# Altium PCB GridSeed_Rev04.PcbDoc (part 2 of 6)
Units mm, origin at the board's own origin, x right, y up, seen from the top; angles counter-clockwise.
Board outline 91 x 132.3 mm, 4 copper layers (L1, L2, L3, L4), stack 1.577 mm thick; 519 components, 141 nets, 2171 pads, 2470 vias.
Unrouted connection lines stored in the file: 1.
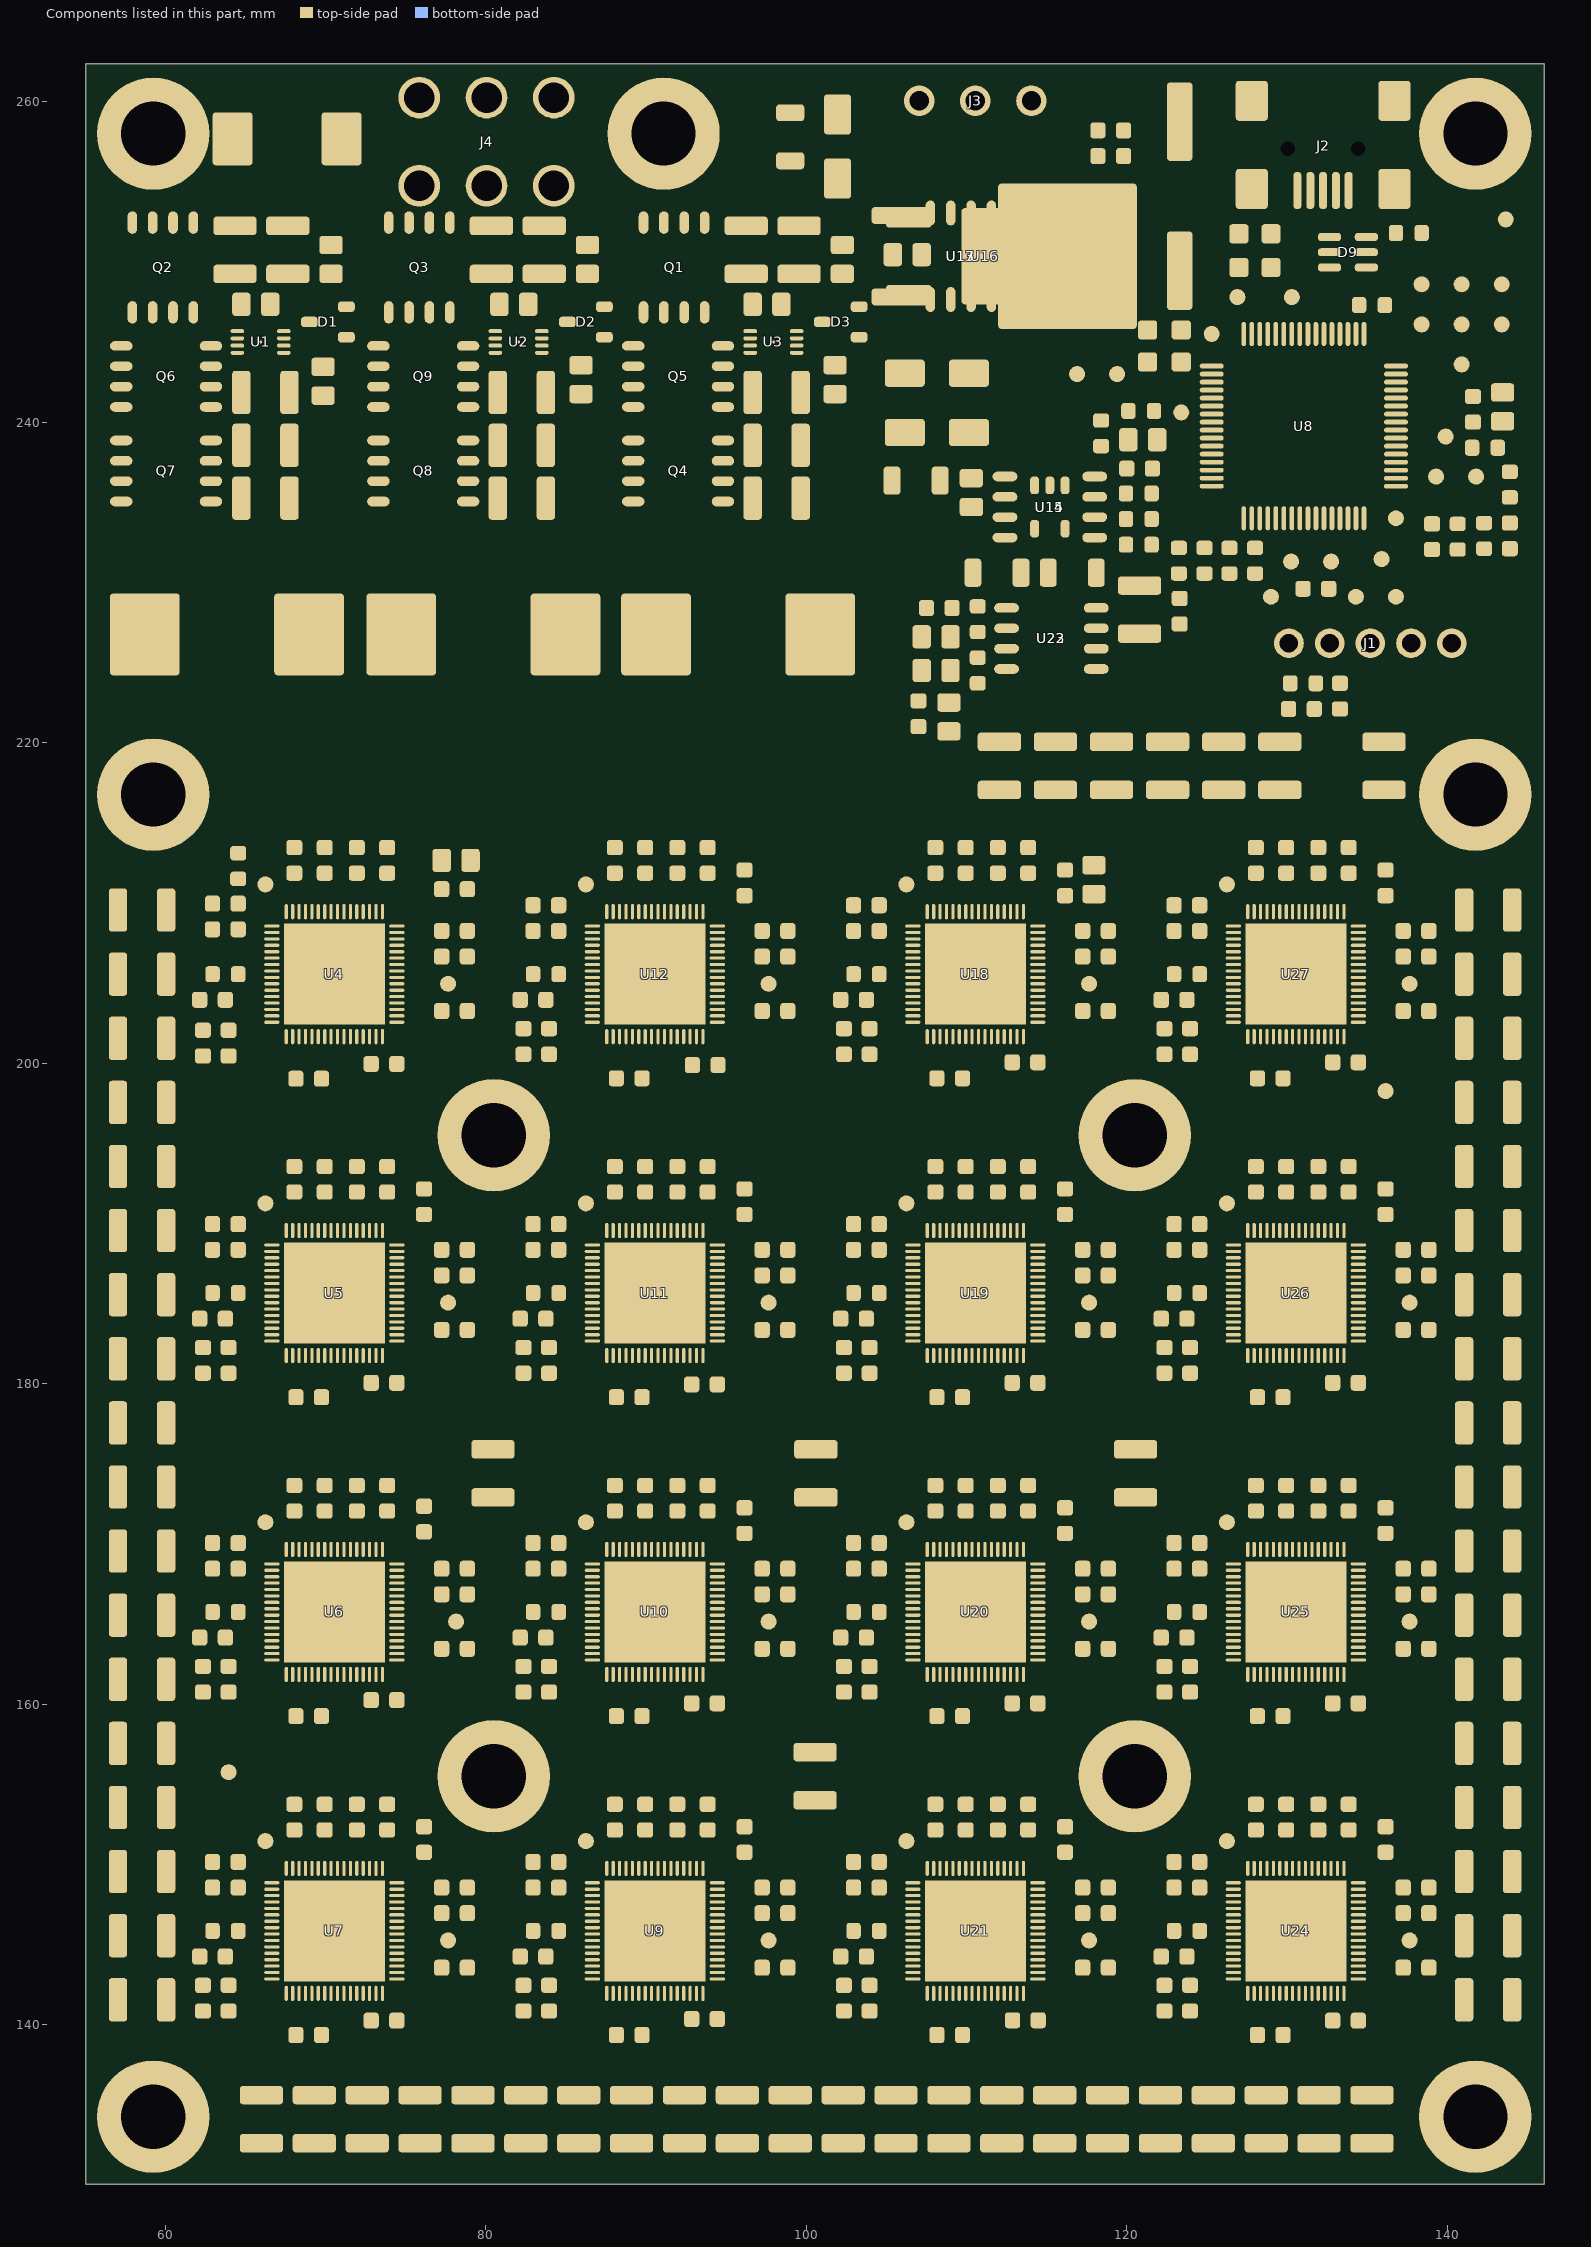
[diagram p4: the components of this part, seen from the top]

## Components (designator, comment, footprint, x,y, rotation, side; value= is the part's Value field where it differs from the comment) (continued)
R33 "R" SMD_0603_RESC1608X55N 137.6,251.8 r180 top
R42 "R" SMD_1206_RESC3216X65N 106.85,236.35 r0 top
R43 "R" SMD_0603_RESC1608X55N 103.75,205.55 r0 top
R44 "R" SMD_0603_RESC1608X55N 103.75,185.65 r0 top
R45 "R" SMD_0603_RESC1608X55N 103.75,165.75 r0 top
R46 "R" SMD_0603_RESC1608X55N 103.75,145.85 r0 top
R47 "R" SMD_1206_RESC3216X65N 99,257.8 r90 top
R48 "R" SMD_1206_RESC3216X65N 116.6,230.6 r0 top
R49 "R" SMD_1206_RESC3216X65N 111.9,230.6 r180 top
R50 "R" SMD_0603_RESC1608X55N 110.7,227.7 r270 top
R51 "R" SMD_0603_RESC1608X55N 110.7,224.5 r270 top
R52 "R" SMD_0603_RESC1608X55N 110.7,227.7 r270 top
R53 "R" SMD_0603_RESC1608X55N 126.407,231.35 r270 top
R54 "R" SMD_0603_RESC1608X55N 128.007,231.35 r90 top
R55 "R" SMD_0603_RESC1608X55N 110.7,224.5 r270 top
R64 "R" SMD_0603_RESC1608X55N 123.75,145.85 r0 top
R65 "R" SMD_0603_RESC1608X55N 123.75,165.75 r0 top
R66 "R" SMD_0603_RESC1608X55N 123.75,185.65 r0 top
R67 "R" SMD_0603_RESC1608X55N 123.75,205.55 r0 top
TP1 "TEST_POINT_1" SMD_TP_100-254 66.25,211.15 r0 top
TP2 "TEST_POINT_1" SMD_TP_100-254 66.25,191.25 r0 top
TP3 "TEST_POINT_1" SMD_TP_100-254 66.25,171.35 r0 top
TP4 "TEST_POINT_1" SMD_TP_100-254 66.25,151.45 r0 top
TP5 "TEST_POINT_1" SMD_TP_100-254 77.65,204.95 r0 top
TP6 "TEST_POINT_1" SMD_TP_100-254 77.65,185.05 r0 top
TP7 "TEST_POINT_1" SMD_TP_100-254 78.15,165.15 r0 top
TP8 "TEST_POINT_1" SMD_TP_100-254 77.65,145.25 r0 top
TP9 "TEST_POINT_1" SMD_TP_100-254 129,229.1 r0 top
TP10 "TEST_POINT_1" SMD_TP_100-254 130.25,231.3 r0 top
TP11 "TEST_POINT_1" SMD_TP_100-254 123.4,240.6 r0 top
TP12 "TEST_POINT_1" SMD_TP_100-254 136.8,229.1 r0 top
TP13 "TEST_POINT_1" SMD_TP_100-254 86.25,151.45 r0 top
TP14 "TEST_POINT_1" SMD_TP_100-254 86.25,171.35 r0 top
TP15 "TEST_POINT_1" SMD_TP_100-254 86.25,191.25 r0 top
TP16 "TEST_POINT_1" SMD_TP_100-254 86.25,211.15 r0 top
TP17 "TEST_POINT_1" SMD_TP_100-254 135.9,231.45 r0 top
TP18 "TEST_POINT_1" SMD_TP_100-254 116.9,243 r0 top
TP19 "TEST_POINT_1" SMD_TP_100-254 119.4,243 r0 top
TP20 "TEST_POINT_1" SMD_TP_100-254 139.3,236.6 r0 top
TP21 "TEST_POINT_1" SMD_TP_100-254 141.8,236.6 r0 top
TP22 "TEST_POINT_1" SMD_TP_100-254 126.9,247.8 r0 top
TP23 "TEST_POINT_1" SMD_TP_100-254 130.3,247.8 r0 top
TP24 "TEST_POINT_1" SMD_TP_100-254 139.9,239.1 r0 top
TP25 "TEST_POINT_1" SMD_TP_100-254 143.4,246.1 r0 top
TP26 "TEST_POINT_1" SMD_TP_100-254 140.9,243.6 r0 top
TP27 "TEST_POINT_1" SMD_TP_100-254 140.9,246.1 r0 top
TP28 "TEST_POINT_1" SMD_TP_100-254 143.4,248.6 r0 top
TP29 "TEST_POINT_1" SMD_TP_100-254 140.9,248.6 r0 top
TP30 "TEST_POINT_1" SMD_TP_100-254 138.4,246.1 r0 top
TP31 "TEST_POINT_1" SMD_TP_100-254 138.4,248.6 r0 top
TP32 "TEST_POINT_1" SMD_TP_100-254 97.65,145.25 r0 top
TP33 "TEST_POINT_1" SMD_TP_100-254 97.65,165.15 r0 top
TP34 "TEST_POINT_1" SMD_TP_100-254 97.65,185.05 r0 top
TP35 "TEST_POINT_1" SMD_TP_100-254 97.65,204.95 r0 top
TP36 "TEST_POINT_1" SMD_TP_100-254 106.25,211.15 r0 top
TP37 "TEST_POINT_1" SMD_TP_100-254 106.25,191.25 r0 top
TP38 "TEST_POINT_1" SMD_TP_100-254 106.25,171.35 r0 top
TP39 "TEST_POINT_1" SMD_TP_100-254 106.25,151.45 r0 top
TP40 "TEST_POINT_1" SMD_TP_100-254 117.65,204.95 r0 top
TP41 "TEST_POINT_1" SMD_TP_100-254 117.65,185.05 r0 top
TP42 "TEST_POINT_1" SMD_TP_100-254 117.65,165.15 r0 top
TP43 "TEST_POINT_1" SMD_TP_100-254 117.65,145.25 r0 top
TP44 "TEST_POINT_1" SMD_TP_100-254 126.25,151.45 r0 top
TP45 "TEST_POINT_1" SMD_TP_100-254 126.25,171.35 r0 top
TP46 "TEST_POINT_1" SMD_TP_100-254 126.25,191.25 r0 top
TP47 "TEST_POINT_1" SMD_TP_100-254 126.25,211.15 r0 top
TP48 "TEST_POINT_1" SMD_TP_100-254 136.15,198.25 r0 top
TP49 "TEST_POINT_1" SMD_TP_100-254 137.65,145.25 r0 top
TP50 "TEST_POINT_1" SMD_TP_100-254 137.65,165.15 r0 top
TP51 "TEST_POINT_1" SMD_TP_100-254 137.65,185.05 r0 top
TP52 "TEST_POINT_1" SMD_TP_100-254 137.65,204.95 r0 top
TP53 "TEST_POINT_1" SMD_TP_100-254 132.75,231.3 r0 top
TP54 "TEST_POINT_1" SMD_TP_100-254 134.3,229.1 r0 top
U1 "IC_LTC4449" SMD_SON45P300X200X80-9N 65.95,245 r0 top
U2 "IC_LTC4449" SMD_SON45P300X200X80-9N 82.05,245 r0 top
U3 "IC_LTC4449" SMD_SON45P300X200X80-9N 97.95,245 r0 top
U4 "GC3355Q64" SMT_QFN40P800X800X90-65N 70.55,205.55 r90 top
U5 "GC3355Q64" SMT_QFN40P800X800X90-65N 70.55,185.65 r90 top
U6 "GC3355Q64" SMT_QFN40P800X800X90-65N 70.55,165.75 r90 top
U7 "GC3355Q64" SMT_QFN40P800X800X90-65N 70.55,145.85 r90 top
U8 "IC_DSPIC33EP256MU806-QFN64" SMD_QFP50P1200X1200X120-64N 131.05,239.75 r90 top
U9 "GC3355Q64" SMT_QFN40P800X800X90-65N 90.55,145.85 r90 top
U10 "GC3355Q64" SMT_QFN40P800X800X90-65N 90.55,165.75 r90 top
U11 "GC3355Q64" SMT_QFN40P800X800X90-65N 90.55,185.65 r90 top
U12 "GC3355Q64" SMT_QFN40P800X800X90-65N 90.55,205.55 r90 top
U13 "(OPT) LM7805" SMD_SOIC127P600X175-8N 109.65,250.35 r90 top
U14 "IC_TLV70033QDDCRQ1" SMD_SOT95P280X135-5N 115.2,234.7 r270 top
U15 "IC_BDXXKA5WF" SMD_SOIC127P620X160-8N 115.2,234.7 r180 top
U16 "IC_IN1OUT3GND4" SMD_TO254P1542X460-3_4N 112.35,250.35 r0 top
U17 "IC_VIN1GND4VOUT3" SMD_TO229P991X239-4N_DPAK 110.55,250.35 r0 top
U18 "GC3355Q64" SMT_QFN40P800X800X90-65N 110.55,205.55 r90 top
U19 "GC3355Q64" SMT_QFN40P800X800X90-65N 110.55,185.65 r90 top
U20 "GC3355Q64" SMT_QFN40P800X800X90-65N 110.55,165.75 r90 top
U21 "GC3355Q64" SMT_QFN40P800X800X90-65N 110.55,145.85 r90 top
U22 "IC_BD00KA5WF" SMD_SOIC127P620X160-8N 115.3,226.5 r0 top
U23 "IC_BD00KA5WF" SMD_SOIC127P620X160-8N 115.3,226.5 r0 top
U24 "GC3355Q64" SMT_QFN40P800X800X90-65N 130.55,145.85 r90 top
U25 "GC3355Q64" SMT_QFN40P800X800X90-65N 130.55,165.75 r90 top
U26 "GC3355Q64" SMT_QFN40P800X800X90-65N 130.55,185.65 r90 top
U27 "GC3355Q64" SMT_QFN40P800X800X90-65N 130.55,205.55 r90 top
Y1 "XTAL" SMD_HC49_XTAL1140X480X420N 123.3,254.1 r90 top

## Footprints (in the part's own frame and the unit in brackets; to place one, negate y for a bottom-side part, rotate by r counter-clockwise, add the part's x,y. Pads: shape width x height; smd on the part's side, far side on the other; paste and mask are expansions set on the pad)
FID100X200 [mm]
  round 1 smd paste-0.5 mask+0.5: 1(0,0)
  L1 keep-out region: 1.05,0 0.969,0.406 0.74,0.749 0.396,0.979 -0.01,1.06 -0.01,1.06 -0.415,0.979 -0.759,0.749 -0.989,0.406 -1.069,0 -1.069,0 -0.989,-0.406 -0.759,-0.749 -0.415,-0.979 -0.01,-1.06 -0.01,-1.06 0.396,-0.979 0.74,-0.749 0.969,-0.406 1.05,0
PTH_CON_HD-351-3P [mm]
  round 1.9 hole 1.2 mask+0.075: 1(-3.5,0) 2(0,0) 3(3.5,0)
  silkscreen extent -5.3,0.95 5.3,3.8, body extent -5.65,-3.7 5.25,3.7, height 8.52
PTH_CON_WR-MRC4-6P [mm]
  round 2.6 hole 1.9 mask+0.075: 1(-4.2,2.75) 2(0,2.75) 3(4.2,2.75) 4(-4.2,-2.75) 5(0,-2.75) 6(4.2,-2.75)
  silkscreen extent -7.1,-2 7.1,2, body extent -6.9,-3.32 6.9,16.65, height 11.35
PTH_HDRV05W64P254_1X05 [mm]
  round 1.85 hole 1.15 mask+0.075: 1(-5.08,0) 2(-2.54,0) 3(0,0) 4(2.54,0) 5(5.08,0)
  silkscreen extent -6.35,-1.25 6.35,1.25, body extent -6.35,-1.25 6.35,1.25, height 8
PTH_MTG400_700 [mm]
  round 7 / inner round 5 / far side round 7 hole 4 mask+0.075: 1(0,0)
  silkscreen extent -3.85,-3.85 3.85,3.85
SMD_0603_CAPC1608X95N [mm]
  rrect42% 0.95x1 smd mask+0.075: 1(-0.8,0) 2(0.8,0)
  body extent -0.8,-0.4 0.8,0.4, height 0.95
SMD_0603_RESC1608X55N [mm]
  rrect44% 0.9x1 smd mask+0.075: 1(-0.8,0) 2(0.8,0)
  body extent -0.8,-0.4 0.8,0.4, height 0.55
SMD_0805_CAPC2012X145N [mm]
  rrect35% 1.15x1.45 smd mask+0.075: 1(-0.9,0) 2(0.9,0)
  body extent -1,-0.6 1,0.6, height 1.45
SMD_0805_INDC2012X105N [mm]
  rrect35% 1.15x1.45 smd mask+0.075: 1(-0.9,0) 2(0.9,0)
  body extent -1,-0.62 1,0.63, height 1.05
SMD_0805_LED2012X100N [mm]
  rrect33% 1.2x1.2 smd mask+0.075: 1(-1.05,0) 2(1.05,0)
  body extent -1,-0.62 1,0.63, height 0.98
SMD_1206_RESC3216X65N [mm]
  rrect38% 1.05x1.75 smd mask+0.075: 1(-1.5,0) 2(1.5,0)
  silkscreen extent -0.65,-0.85 0.65,0.85, body extent -1.6,-0.8 1.6,0.8, height 0.65
SMD_1210_CAPC3225X270N [mm]
  rrect35% 1.15x2.7 smd mask+0.075: 1(-1.5,0) 2(1.5,0)
  silkscreen extent -0.6,-1.35 0.6,1.35, body extent -1.6,-1.25 1.6,1.25, height 2.7
SMD_1210_CAPC3225X279N [mm]
  rrect35% 1.15x2.7 smd mask+0.075: 1(-1.5,0) 2(1.5,0)
  silkscreen extent -0.6,-1.35 0.6,1.35, body extent -1.6,-1.25 1.6,1.25, height 2.79
SMD_CON-CVILUX-CU04-SCM15B0 [mm]
  rrect80% 0.5x2.3 smd mask+0.075: 1(-1.6,2.6) 2(-0.8,2.6) 3(0,2.6) 4(0.8,2.6) 5(1.6,2.6)
  rrect20% 2x2.5 smd mask+0.075: 6(4.45,2.5) 7(4.45,-3) 8(-4.45,-3) 9(-4.45,2.5)
  round 0.5 hole 0.9 unplated mask+0.275: 10(-2.2,0) 11(2.2,0)
  silkscreen extent -3.85,-4.7 3.85,4.15, body extent -4.95,-5.9 4.95,3.1, height 3.95
SMD_DO214AC_SMA [mm]
  rrect24% 2.5x1.7 smd mask+0.075: 1(-2,0) 2(2,0)
  silkscreen extent -3.25,-1.45 2.3,1.45, body extent -2.64,-1.39 2.64,1.4, height 2.29
SMD_DO214AC_SMC [mm]
  rrect16% 2.5x3.3 smd mask+0.075: 1(-3.4,0) 2(3.4,0)
  silkscreen extent -4.5,-3.1 3.55,3.1, body extent -4.06,-3.11 4.07,3.11, height 2.62
SMD_HC49_XTAL1140X480X420N [mm]
  rrect25% 4.9x1.6 smd mask+0.075: 1(-4.65,0) 2(4.65,0)
  silkscreen extent -5.7,-2.35 5.7,2.35, body extent -6.5,-2.4 6.5,2.4, height 4.2
SMD_QFP50P1200X1200X120-64N [mm]
  oval 1.5x0.3 smd mask+0.05: 1(-5.75,3.75) 2(-5.75,3.25) 3(-5.75,2.75) 4(-5.75,2.25) 5(-5.75,1.75) 6(-5.75,1.25) 7(-5.75,0.75) 8(-5.75,0.25) 9(-5.75,-0.25) 10(-5.75,-0.75) 11(-5.75,-1.25) 12(-5.75,-1.75) 13(-5.75,-2.25) 14(-5.75,-2.75) 15(-5.75,-3.25) 16(-5.75,-3.75) 33(5.75,-3.75) 34(5.75,-3.25) 35(5.75,-2.75) 36(5.75,-2.25) 37(5.75,-1.75) 38(5.75,-1.25) 39(5.75,-0.75) 40(5.75,-0.25) 41(5.75,0.25) 42(5.75,0.75) 43(5.75,1.25) 44(5.75,1.75) 45(5.75,2.25) 46(5.75,2.75) 47(5.75,3.25) 48(5.75,3.75)
  oval 0.3x1.5 smd mask+0.05: 17(-3.75,-5.75) 18(-3.25,-5.75) 19(-2.75,-5.75) 20(-2.25,-5.75) 21(-1.75,-5.75) 22(-1.25,-5.75) 23(-0.75,-5.75) 24(-0.25,-5.75) 25(0.25,-5.75) 26(0.75,-5.75) 27(1.25,-5.75) 28(1.75,-5.75) 29(2.25,-5.75) 30(2.75,-5.75) 31(3.25,-5.75) 32(3.75,-5.75) 49(3.75,5.75) 50(3.25,5.75) 51(2.75,5.75) 52(2.25,5.75) 53(1.75,5.75) 54(1.25,5.75) 55(0.75,5.75) 56(0.25,5.75) 57(-0.25,5.75) 58(-0.75,5.75) 59(-1.25,5.75) 60(-1.75,5.75) 61(-2.25,5.75) 62(-2.75,5.75) 63(-3.25,5.75) 64(-3.75,5.75)
  round 1 smd paste-0.5 mask+0.5: 65(-5.75,-5.75) 66(5.75,5.75)
  L1 keep-out region: 6.75,5.75 6.674,6.133 6.457,6.457 6.133,6.674 5.75,6.75 5.75,6.75 5.367,6.674 5.043,6.457 4.826,6.133 4.75,5.75 4.75,5.75 4.826,5.367 5.043,5.043 5.367,4.826 5.75,4.75 5.75,4.75 6.133,4.826 6.457,5.043 6.674,5.367 6.75,5.75
  L1 keep-out region: -4.75,-5.75 -4.826,-5.367 -5.043,-5.043 -5.367,-4.826 -5.75,-4.75 -5.75,-4.75 -6.133,-4.826 -6.457,-5.043 -6.674,-5.367 -6.75,-5.75 -6.75,-5.75 -6.674,-6.133 -6.457,-6.457 -6.133,-6.674 -5.75,-6.75 -5.75,-6.75 -5.367,-6.674 -5.043,-6.457 -4.826,-6.133 -4.75,-5.75
  silkscreen extent -6.45,-5.15 5.15,5.15, body extent -6,-6 6,6, height 1.2
SMD_SOIC127P600X110-9AN [mm]
  oval 1.4x0.6 smd mask+0.075: 1(-2.8,1.905) 2(-2.8,0.635) 3(-2.8,-0.635) 4(-2.8,-1.905) 5(2.8,-1.905) 6(2.8,-0.635) 7(2.8,0.635) 8(2.8,1.905)
  L1 region: -1.35,2.2 2.4,2.2 2.4,-2.2 -1.35,-2.2 -1.35,2.2
  silkscreen extent -3.5,-2.55 2.05,2.55
SMD_SOIC127P600X175-8N [mm]
  oval 1.55x0.6 smd mask+0.075: 1(-2.7,1.905) 2(-2.7,0.635) 3(-2.7,-0.635) 4(-2.7,-1.905) 5(2.7,-1.905) 6(2.7,-0.635) 7(2.7,0.635) 8(2.7,1.905)
  silkscreen extent -3.5,-2.55 2.05,2.55, body extent -3,-2.5 3,2.5, height 1.75
SMD_SOIC127P620X160-8N [mm]
  oval 1.55x0.6 smd mask+0.075: 1(-2.8,1.905) 2(-2.8,0.635) 3(-2.8,-0.635) 4(-2.8,-1.905) 5(2.8,-1.905) 6(2.8,-0.635) 7(2.8,0.635) 8(2.8,1.905)
  silkscreen extent -3.5,-2.55 2.05,2.55
SMD_SON45P300X200X80-9N [mm]
  oval 0.85x0.25 smd mask+0.05: 1(-1.45,0.675) 2(-1.45,0.225) 3(-1.45,-0.225) 4(-1.45,-0.675) 5(1.45,-0.675) 6(1.45,-0.225) 7(1.45,0.225) 8(1.45,0.675)
  round 0.2 smd: 9(0,0)
  L1 region: -0.8,0.725 0.8,0.725 0.8,-0.725 -0.8,-0.725 -0.8,0.725
  silkscreen extent -1.85,-1 0.8,1
SMD_SOT23_SOT95P240X120-3N [mm]
  rrect62% 1.05x0.65 smd mask+0.075: 1(-1.15,0.95) 2(-1.15,-0.95) 3(1.15,0)
  silkscreen extent -1.7,-1.6 0.75,1.6, body extent -1.2,-1.45 1.2,1.45, height 1.2
SMD_SOT95P280X135-5N [mm]
  rrect73% 1.1x0.55 smd mask+0.075: 1(-1.35,0.95) 2(-1.35,0) 3(-1.35,-0.95) 4(1.35,-0.95) 5(1.35,0.95)
  silkscreen extent -1.95,-1.6 0.9,1.6, body extent -1.4,-1.45 1.4,1.45, height 1.3
SMD_SOT457_SOT95P275X110-6N [mm]
  rrect80% 1.45x0.5 smd mask+0.075: 1(-1.15,0.95) 2(-1.15,0) 3(-1.15,-0.95) 4(1.15,-0.95) 5(1.15,0) 6(1.15,0.95)
  silkscreen extent -1.9,-1.6 0.85,1.6, body extent -1.37,-1.45 1.38,1.45, height 1.1
SMD_TO229P991X239-4N_DPAK [mm]
  rrect40% 2.85x1 smd mask+0.075: 1(-4.15,2.29) 3(-4.15,-2.29)
  rrect7% 6.45x6 smd paste-3.225 mask+0.075: 4(2.35,0)
  silkscreen extent -5.65,-3.3 -1.9,3.4, body extent -4.88,-3.27 4.88,3.27, height 2.38
SMD_TO254P1542X460-3_4N [mm]
  rrect38% 3.75x1.05 smd mask+0.075: 1(-6.4,2.54) 3(-6.4,-2.54)
  rrect5% 8.65x9.1 smd paste-9.1 mask+0.075: 4(3.95,0)
  silkscreen extent -8.12,-5.2 -2.45,5.2
SMD_TP_100-254 [mm]
  round 1 smd paste-0.55 mask+0.075: 1(0,0)
  silkscreen extent -0.82,-0.82 0.82,0.82, body extent -0.5,-0.5 0.5,0.5, height 0.05
SMT_INDM135130X800N [mm]
  rrect9% 4.35x5.1 smd mask+0.075: 1(-5.125,0) 2(5.125,0)
  silkscreen extent -6.73,-6.48 6.73,6.48, body extent -6.26,-6.25 6.26,6.25, height 8
SMT_QFN40P800X800X90-65N [mm]
  oval 0.95x0.2 smd mask+0.05: 1(-3.9,3) 2(-3.9,2.6) 3(-3.9,2.2) 4(-3.9,1.8) 5(-3.9,1.4) 6(-3.9,1) 7(-3.9,0.6) 8(-3.9,0.2) 9(-3.9,-0.2) 10(-3.9,-0.6) 11(-3.9,-1) 12(-3.9,-1.4) 13(-3.9,-1.8) 14(-3.9,-2.2) 15(-3.9,-2.6) 16(-3.9,-3) 33(3.9,-3) 34(3.9,-2.6) 35(3.9,-2.2) 36(3.9,-1.8) 37(3.9,-1.4) 38(3.9,-1) 39(3.9,-0.6) 40(3.9,-0.2) 41(3.9,0.2) 42(3.9,0.6) 43(3.9,1) 44(3.9,1.4) 45(3.9,1.8) 46(3.9,2.2) 47(3.9,2.6) 48(3.9,3)
  oval 0.2x0.95 smd mask+0.05: 17(-3,-3.9) 18(-2.6,-3.9) 19(-2.2,-3.9) 20(-1.8,-3.9) 21(-1.4,-3.9) 22(-1,-3.9) 23(-0.6,-3.9) 24(-0.2,-3.9) 25(0.2,-3.9) 26(0.6,-3.9) 27(1,-3.9) 28(1.4,-3.9) 29(1.8,-3.9) 30(2.2,-3.9) 31(2.6,-3.9) 32(3,-3.9) 49(3,3.9) 50(2.6,3.9) 51(2.2,3.9) 52(1.8,3.9) 53(1.4,3.9) 54(1,3.9) 55(0.6,3.9) 56(0.2,3.9) 57(-0.2,3.9) 58(-0.6,3.9) 59(-1,3.9) 60(-1.4,3.9) 61(-1.8,3.9) 62(-2.2,3.9) 63(-2.6,3.9) 64(-3,3.9)
  rect 6.3x6.3 smd paste-6.3: 65(0,0)
  silkscreen extent -5.07,-4 4,4, body extent -4,-4 4,4, height 0.9

## Part data
C1 C2 C3 C69 C139 C191 C226 C275: library part CAP000043636
C4 C5 C6: library part CAP000028589
C7 C8 C9: library part CAP000027193
C10 C11 C15 C16 C20 C21: library part CAP000043701
C12 C13 C14 C17 C18 C19 C22 C23 C24 C224 C_1 C_2 C_3 C_4 C_5 C_6 C_8 C_9 C_10 C_11 C_12 C_13 C_14 C_15 C_16 C_17 C_18 C_19 C_20 C_21 C_22 C_23 C_24 C_25 C_26 C_27 C_28 C_29 C_30 C_33 C_34 C_35 C_36 C_37 C_38 C_39 C_40 C_41 C_42 C_43 C_44 C_45 C_46 C_47 C_48 C_49 C_50 C_51 C_52 C_53 C_54 C_55 C_56 C_57 C_58 C_59 C_60 C_61 C_62 C_63 C_64 C_65 C_66 C_67 C_68 C_69 C_70 C_71 C_72: library part CAP000047355
C25 C26 C27 C28 C29 C30 C31 C32 C33 C34 C35 C36 C37 C38 C39 C40 C41 C42 C43 C44 C45 C46 C47 C48 C49 C50 C51 C52 C53 C54 C55 C56 C57 C58 C59 C60 C61 C62 C63 C64 C65 C66 C67 C68 C70 C71 C72 C73 C74 C75 C76 C77 C78 C79 C80 C81 C82 C83 C84 C85 C118 C119 C120 C121 C122 C123 C124 C125 C126 C127 C128 C129 C130 C131 C132 C133 C134 C135 C136 C137 C140 C141 C142 C143 C144 C145 C146 C147 C148 C149 C150 C151 C152 C153 C154 C155 C156 C157 C158 C159 C160 C161 C162 C163 C175 C176 C177 C178 C179 C180 C181 C182 C183 C184 C185 C186 C187 C188 C189 C190 C227 C228 C229 C230 C231 C232 C233 C234 C235 C236 C237 C238 C239 C240 C241 C242 C243 C244 C245 C246 C247 C248 C249 C250 C251 C252 C253 C254 C255 C256 C257 C258 C262 C263 C264 C265 C266 C267 C268 C269 C270 C271 C272 C273 C276 C277 C278 C279 C280 C281 C282 C283 C284 C285 C286 C287 C288 C289 C290 C291 C324 C325 C326 C327 C328 C329 C330 C331 C332 C333 C334 C335 C336 C337 C338 C339 C340 C341 C342 C343 C344 C345 C346 C347 C348 C349 C350 C351 C352 C353 C354 C355 C356 C357 C358 C359 C360 C361 C362 C363 C364 C365 C366 C367 C368 C369 C370 C371 C372 C373 C374 C375 C376 C377 C378 C379 C380 C381 C382 C383: library part CAP000028169
C138 C166: library part CAP000024113
C167 C168 C169 C170 C171 C172 C260 C261: library part CAP000027136
C173 C174: library part CAP000031922
C225 C259 C274: library part CAP000043686
D1 D2 D3: library part DDE000000490
D4 D5 D6 D7: library part LED_2
D8 D10 D11: library part DDE000000580
D9: library part DDE000002846
D12: library part DDE000001725
FB1: library part IND000000029
FID1 FID2: library part FID000000001
J1: library part CON000000006
J2: library part CON000000048
J3: library part CON000000272
J4: library part CON000000271
J5 J6 J7 J8 J9 J10 J11 J12 J13 J14 J15: library part MTH000000030
L1 L2 L3: library part L
Q1 Q2 Q3 Q4 Q5 Q6 Q7 Q8 Q9: library part TRA000001604
R1 R2 R3 R4 R5 R6 R7 R8 R17 R18 R19 R20 R21 R22 R23 R24 R26 R31 R32 R43 R44 R45 R46 R50 R52 R53 R54 R64 R65 R66 R67: library part RES000008663
R25: library part RES000006261
R27 R30: library part RES000006220
R33: library part RES000008926
R42: library part RES000007051
R47: library part RES000006922
R48 R49: library part RES000008756
R51 R55: library part RES000006287
TP1 TP2 TP3 TP4 TP5 TP6 TP7 TP8 TP9 TP10 TP11 TP12 TP13 TP14 TP15 TP16 TP17 TP18 TP19 TP20 TP21 TP22 TP23 TP24 TP25 TP26 TP27 TP28 TP29 TP30 TP31 TP32 TP33 TP34 TP35 TP36 TP37 TP38 TP39 TP40 TP41 TP42 TP43 TP44 TP45 TP46 TP47 TP48 TP49 TP50 TP51 TP52 TP53 TP54: library part TPO000000001
U1 U2 U3: library part DRV000000079
U4 U5 U6 U7 U9 U10 U11 U12 U18 U19 U20 U21 U24 U25 U26 U27: "GridSeed"
U8: library part MCU000000070
U13: library part PSU000000125
U14: library part PSU000000126
U15: library part PSU000000127
U16: library part PSU000000129
U17: library part PSU000000031
U22 U23: library part PSU000000128
Y1: library part OSC000000012

## Via types
v1: diameter 0.6/0.6/0.6/0.6 (per signal layer), hole 0.3, L1 to L4, 2470 vias